# Altium PCB ir-24v-shit5-7.PcbDoc (part 3 of 6) (continued)
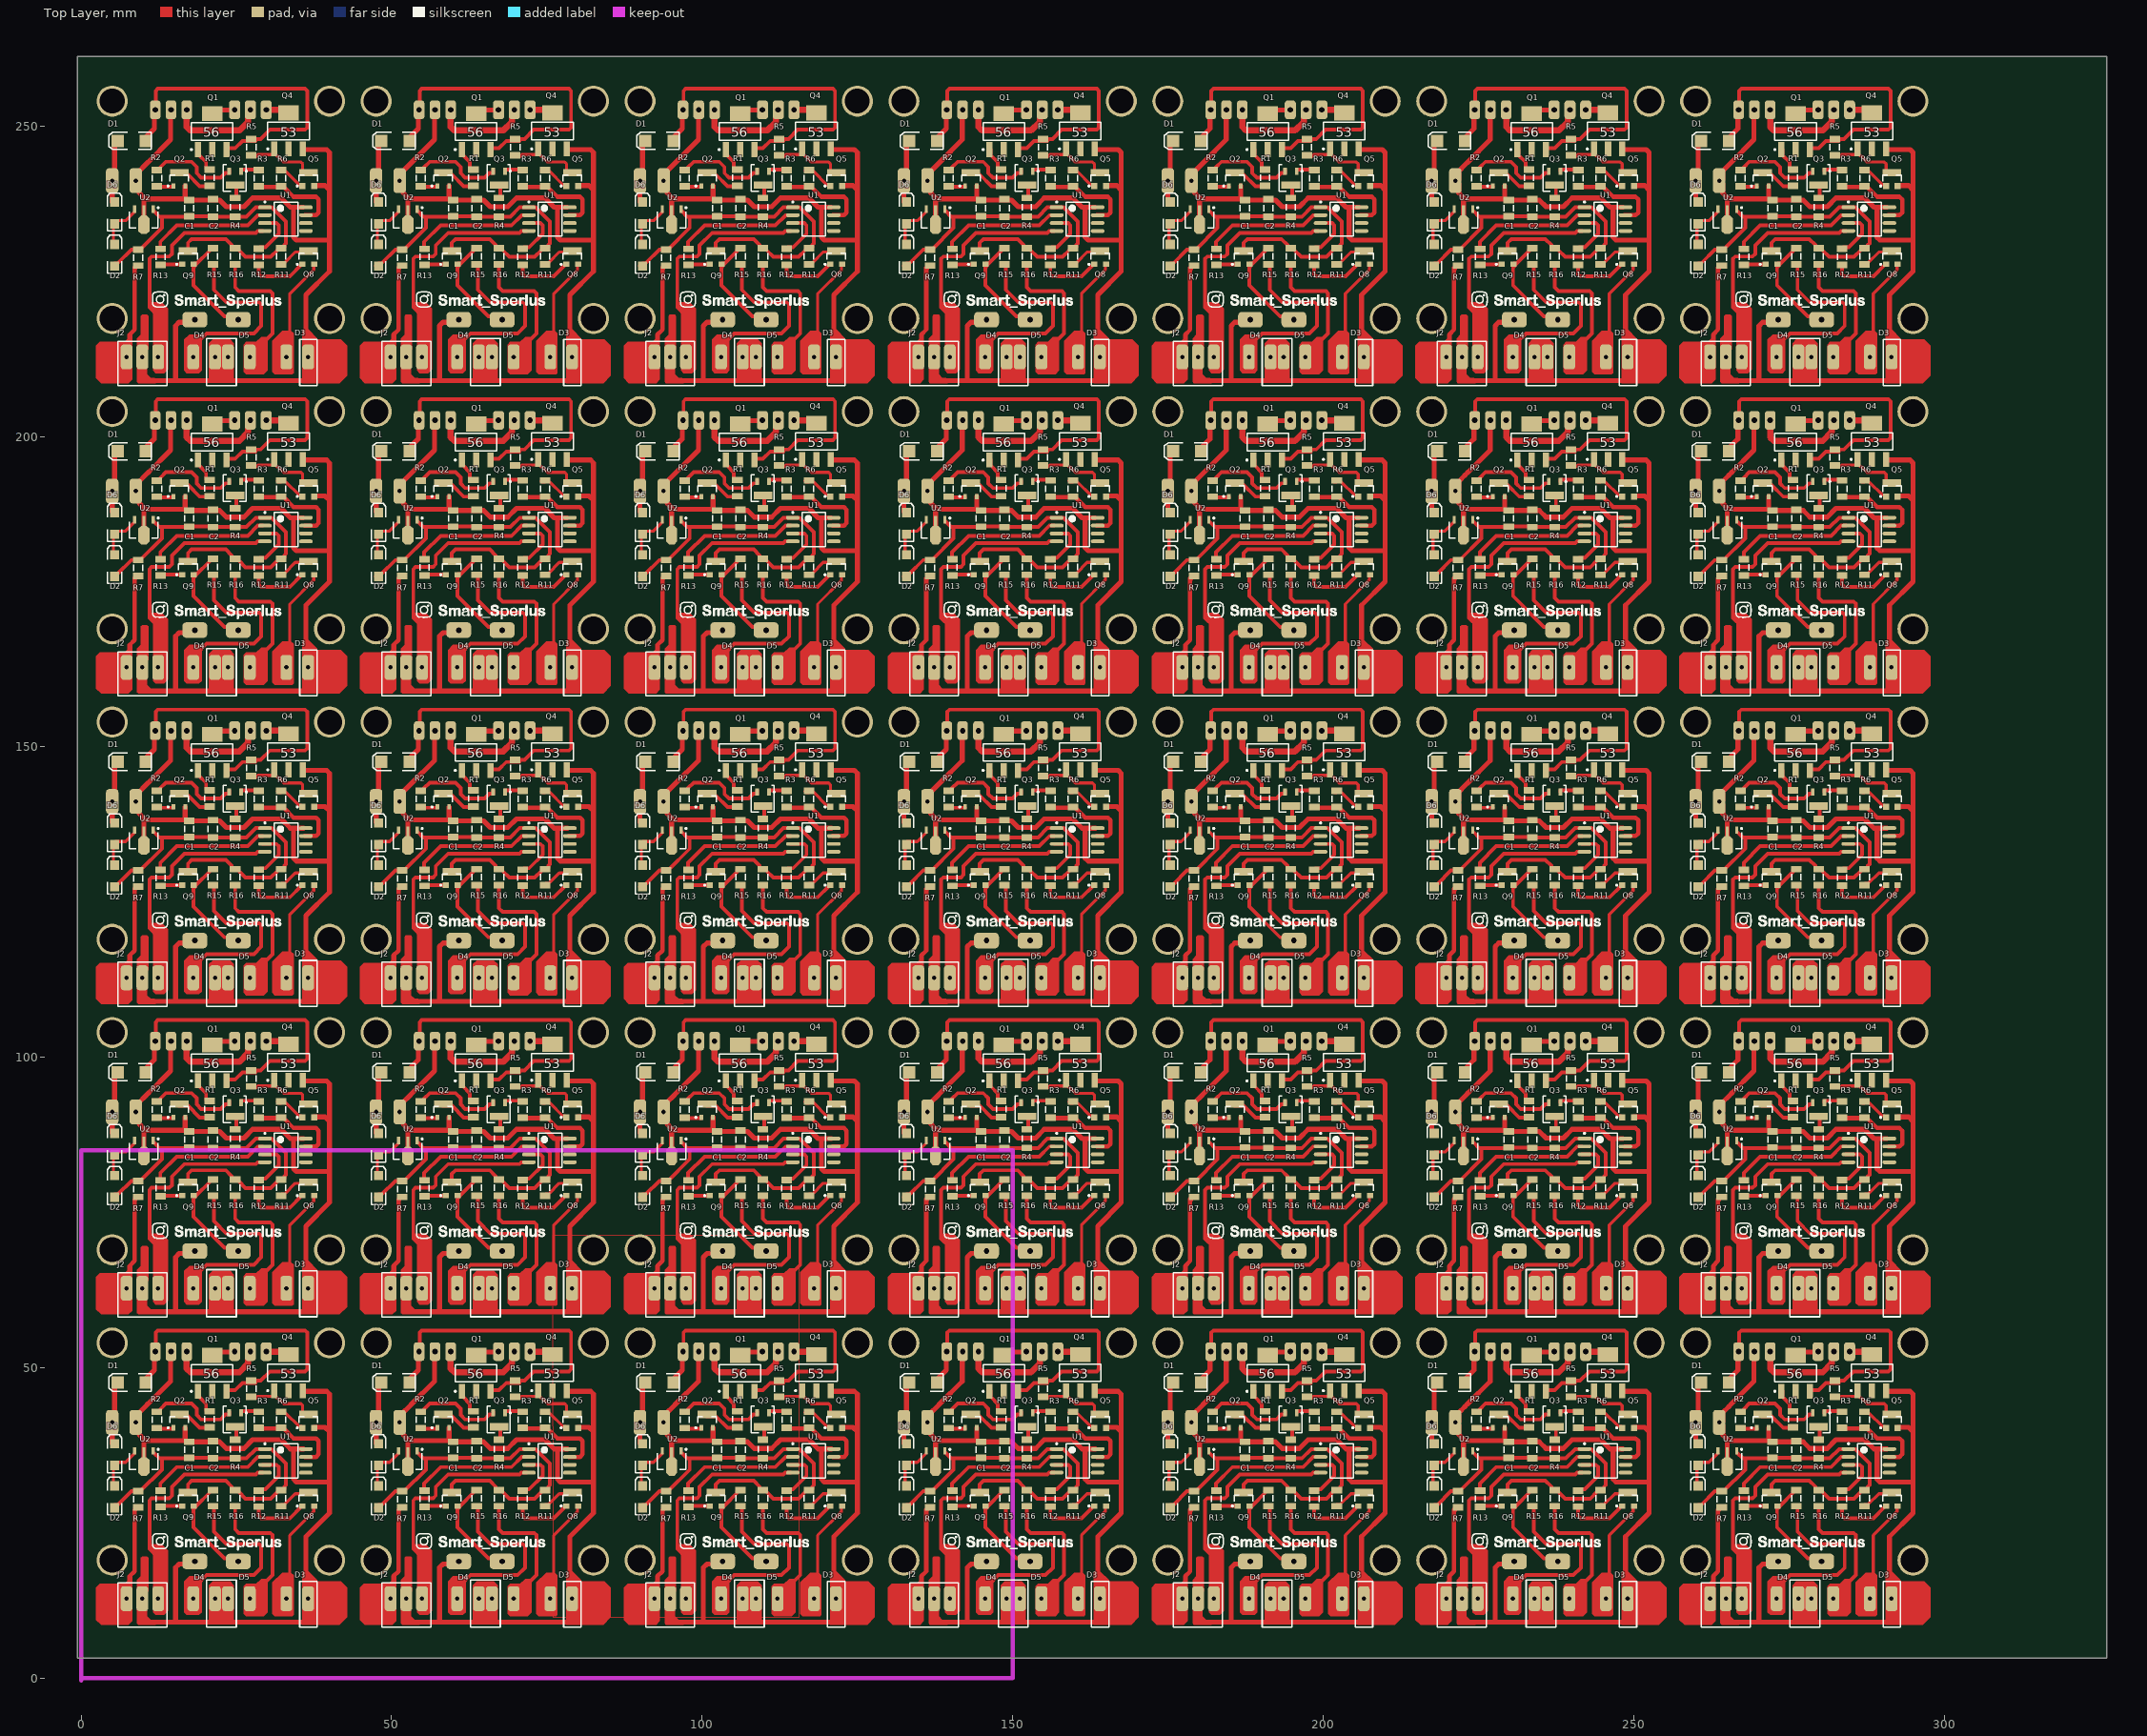
[diagram p0: Top Layer view]
## Nets (pads, with @x,y where several pads share a name; then routed paths per layer and width w, separated by ;. In a path a pad name is that pad's centre, name@x,y a point inside that pad or via, vN(x,y) a via of type N, cw(c..) or ccw(c..) an arc to the next point about the centre after c; other vN are vias at no path point) (continued)
90.45,27.9 90.9,27.9 93.101,30.101 94.2,30.101 94.501,30.101 98,33.6 98,35.4 ; 90,77.45 90.45,77.9 90.9,77.9 93.101,80.101 94.2,80.101 94.501,80.101 98,83.6 98,85.4 ; 90,127.45 90.45,127.9 90.9,127.9 93.101,130.101 94.2,130.101 94.501,130.101 98,133.6 98,135.4 ; 90,177.45 90.45,177.9 90.9,177.9 93.101,180.101 94.2,180.101 94.501,180.101 98,183.6 98,185.4 ; 90,227.45 90.45,227.9 90.9,227.9 93.101,230.101 94.2,230.101 94.501,230.101 98,233.6 98,235.4 ; 96.717,36.283 97.6,35.4 98,35.4 ; 96.717,86.283 97.6,85.4 98,85.4 ; 96.717,136.283 97.6,135.4 98,135.4 ; 96.717,186.283 97.6,185.4 98,185.4 ; 96.717,236.283 97.6,235.4 98,235.4 ; 97,40.299 97.099,40.2 99.85,40.2 ; 97,52.585 97,55.649 97.351,56 121.049,56 121.4,55.649 121.4,49.751 121.049,49.4 115.4,49.4 113.901,47.901 112.4,47.901 ; 97,90.299 97.099,90.2 99.85,90.2 ; 97,102.585 97,105.649 97.351,106 121.049,106 121.4,105.649 121.4,99.751 121.049,99.4 115.4,99.4 113.901,97.901 112.4,97.901 ; 97,140.299 97.099,140.2 99.85,140.2 ; 97,152.585 97,155.649 97.351,156 121.049,156 121.4,155.649 121.4,149.751 121.049,149.4 115.4,149.4 113.901,147.901 112.4,147.901 ; 97,190.299 97.099,190.2 99.85,190.2 ; 97,202.585 97,205.649 97.351,206 121.049,206 121.4,205.649 121.4,199.751 121.049,199.4 115.4,199.4 113.901,197.901 112.4,197.901 ; 97,240.299 97.099,240.2 99.85,240.2 ; 97,252.585 97,255.649 97.351,256 121.049,256 121.4,255.649 121.4,249.751 121.049,249.4 115.4,249.4 113.901,247.901 112.4,247.901 ; 97.349,13.96 97.349,19.451 96,20.8 96,28.624 96.351,28.975 99.175,28.975 99.6,29.4 99.6,30.8 101.6,32.8 113.105,32.8 113.4,33.095 114.2,33.095 ; 97.349,63.96 97.349,69.451 96,70.8 96,78.624 96.351,78.975 99.175,78.975 99.6,79.4 99.6,80.8 101.6,82.8 113.105,82.8 113.4,83.095 114.2,83.095 ; 97.349,113.96 97.349,119.451 96,120.8 96,128.624 96.351,128.975 99.175,128.975 99.6,129.4 99.6,130.8 101.6,132.8 113.105,132.8 113.4,133.095 114.2,133.095 ; 97.349,163.96 97.349,169.451 96,170.8 96,178.624 96.351,178.975 99.175,178.975 99.6,179.4 99.6,180.8 101.6,182.8 113.105,182.8 113.4,183.095 114.2,183.095 ; 97.349,213.96 97.349,219.451 96,220.8 96,228.624 96.351,228.975 99.175,228.975 99.6,229.4 99.6,230.8 101.6,232.8 113.105,232.8 113.4,233.095 114.2,233.095 ; 97.58,30.15 97.75,30.32 97.75,31.35 100.4,34 111.8,34 113.435,35.635 114.2,35.635 ; 97.58,80.15 97.75,80.32 97.75,81.35 100.4,84 111.8,84 113.435,85.635 114.2,85.635 ; 97.58,130.15 97.75,130.32 97.75,131.35 100.4,134 111.8,134 113.435,135.635 114.2,135.635 ; 97.58,180.15 97.75,180.32 97.75,181.35 100.4,184 111.8,184 113.435,185.635 114.2,185.635 ; 97.58,230.15 97.75,230.32 97.75,231.35 100.4,234 111.8,234 113.435,235.635 114.2,235.635 ; 97.6,42.97 97.75,43.12 97.75,43.35 98.638,44.238 102.762,44.238 103.6,43.4 103.6,42.4 104.324,41.676 107.476,41.676 108.25,42.45 108.85,42.45 108.85,42.888 ; 97.6,92.97 97.75,93.12 97.75,93.35 98.638,94.238 102.762,94.238 103.6,93.4 103.6,92.4 104.324,91.676 107.476,91.676 108.25,92.45 108.85,92.45 108.85,92.888 ; 97.6,142.97 97.75,143.12 97.75,143.35 98.638,144.238 102.762,144.238 103.6,143.4 103.6,142.4 104.324,141.676 107.476,141.676 108.25,142.45 108.85,142.45 108.85,142.888 ; 97.6,192.97 97.75,193.12 97.75,193.35 98.638,194.238 102.762,194.238 103.6,193.4 103.6,192.4 104.324,191.676 107.476,191.676 108.25,192.45 108.85,192.45 108.85,192.888 ; 97.6,242.97 97.75,243.12 97.75,243.35 98.638,244.238 102.762,244.238 103.6,243.4 103.6,242.4 104.324,241.676 107.476,241.676 108.25,242.45 108.85,242.45 108.85,242.888 ; 97.635,27.725 101.25,27.725 ; 97.635,77.725 101.25,77.725 ; 97.635,127.725 101.25,127.725 ; 97.635,177.725 101.25,177.725 ; 97.635,227.725 101.25,227.725 ; 100.4,42.475 100.7,42.175 102.225,42.175 104.095,40.305 104.8,40.305 ; 100.4,92.475 100.7,92.175 102.225,92.175 104.095,90.305 104.8,90.305 ; 100.4,142.475 100.7,142.175 102.225,142.175 104.095,140.305 104.8,140.305 ; 100.4,192.475 100.7,192.175 102.225,192.175 104.095,190.305 104.8,190.305 ; 100.4,242.475 100.7,242.175 102.225,242.175 104.095,240.305 104.8,240.305 ; 102.2,29.875 102.2,31.2 102.8,31.8 108.301,31.8 109.25,30.851 109.25,30.526 109.475,30.301 109.8,30.301 110.125,30.301 110.35,30.076 110.35,30.05 111.476,28.924 115.524,28.924 116.65,30.05 116.65,30.076 116.875,30.301 117.2,30.301 117.525,30.301 117.75,30.526 117.75,30.851 118,31.101 118,34.6 115.695,36.905 114.6,36.905 113.105,36.905 111.6,35.4 109.8,35.4 106.2,35.4 106.126,35.474 102.4,35.474 ; 102.2,79.875 102.2,81.2 102.8,81.8 108.301,81.8 109.25,80.851 109.25,80.526 109.475,80.301 109.8,80.301 110.125,80.301 110.35,80.076 110.35,80.05 111.476,78.924 115.524,78.924 116.65,80.05 116.65,80.076 116.875,80.301 117.2,80.301 117.525,80.301 117.75,80.526 117.75,80.851 118,81.101 118,84.6 115.695,86.905 114.6,86.905 113.105,86.905 111.6,85.4 109.8,85.4 106.2,85.4 106.126,85.474 102.4,85.474 ; 102.2,129.875 102.2,131.2 102.8,131.8 108.301,131.8 109.25,130.851 109.25,130.526 109.475,130.301 109.8,130.301 110.125,130.301 110.35,130.076 110.35,130.05 111.476,128.924 115.524,128.924 116.65,130.05 116.65,130.076 116.875,130.301 117.2,130.301 117.525,130.301 117.75,130.526 117.75,130.851 118,131.101 118,134.6 115.695,136.905 114.6,136.905 113.105,136.905 111.6,135.4 109.8,135.4 106.2,135.4 106.126,135.474 102.4,135.474 ; 102.2,179.875 102.2,181.2 102.8,181.8 108.301,181.8 109.25,180.851 109.25,180.526 109.475,180.301 109.8,180.301 110.125,180.301 110.35,180.076 110.35,180.05 111.476,178.924 115.524,178.924 116.65,180.05 116.65,180.076 116.875,180.301 117.2,180.301 117.525,180.301 117.75,180.526 117.75,180.851 118,181.101 118,184.6 115.695,186.905 114.6,186.905 113.105,186.905 111.6,185.4 109.8,185.4 106.2,185.4 106.126,185.474 102.4,185.474 ; 102.2,229.875 102.2,231.2 102.8,231.8 108.301,231.8 109.25,230.851 109.25,230.526 109.475,230.301 109.8,230.301 110.125,230.301 110.35,230.076 110.35,230.05 111.476,228.924 115.524,228.924 116.65,230.05 116.65,230.076 116.875,230.301 117.2,230.301 117.525,230.301 117.75,230.526 117.75,230.851 118,231.101 118,234.6 115.695,236.905 114.6,236.905 113.105,236.905 111.6,235.4 109.8,235.4 106.2,235.4 106.126,235.474 102.4,235.474 ; 102.4,35.4 98,35.4 ; 102.4,85.4 98,85.4 ; 102.4,135.4 98,135.4 ; 102.4,185.4 98,185.4 ; 102.4,235.4 98,235.4 ; 103.05,12.6 103.627,13.177 103.627,15.027 105.2,16.6 112.8,16.6 114,17.8 114,21.249 113.649,21.6 108.4,21.6 106.4,23.6 106.4,27.808 ; 103.05,62.6 103.627,63.177 103.627,65.027 105.2,66.6 112.8,66.6 114,67.8 114,71.249 113.649,71.6 108.4,71.6 106.4,73.6 106.4,77.808 ; 103.05,112.6 103.627,113.177 103.627,115.027 105.2,116.6 112.8,116.6 114,117.8 114,121.249 113.649,121.6 108.4,121.6 106.4,123.6 106.4,127.808 ; 103.05,162.6 103.627,163.177 103.627,165.027 105.2,166.6 112.8,166.6 114,167.8 114,171.249 113.649,171.6 108.4,171.6 106.4,173.6 106.4,177.808 ; 103.05,212.6 103.627,213.177 103.627,215.027 105.2,216.6 112.8,216.6 114,217.8 114,221.249 113.649,221.6 108.4,221.6 106.4,223.6 106.4,227.808 ; 103.15,27.725 103.275,27.85 103.65,27.85 105.65,29.85 105.65,30.076 105.875,30.301 106.2,30.301 ; 103.15,77.725 103.275,77.85 103.65,77.85 105.65,79.85 105.65,80.076 105.875,80.301 106.2,80.301 ; 103.15,127.725 103.275,127.85 103.65,127.85 105.65,129.85 105.65,130.076 105.875,130.301 106.2,130.301 ; 103.15,177.725 103.275,177.85 103.65,177.85 105.65,179.85 105.65,180.076 105.875,180.301 106.2,180.301 ; 103.15,227.725 103.275,227.85 103.65,227.85 105.65,229.85 105.65,230.076 105.875,230.301 106.2,230.301 ; 103.425,27.525 103.098,27.199 103.098,24.302 108.072,19.328 109.372,19.328 110.3,18.4 ; 103.425,77.525 103.098,77.199 103.098,74.302 108.072,69.328 109.372,69.328 110.3,68.4 ; 103.425,127.525 103.098,127.199 103.098,124.302 108.072,119.328 109.372,119.328 110.3,118.4 ; 103.425,177.525 103.098,177.199 103.098,174.302 108.072,169.328 109.372,169.328 110.3,168.4 ; 103.425,227.525 103.098,227.199 103.098,224.302 108.072,219.328 109.372,219.328 110.3,218.4 ; 104,46.237 104,45.3 105.118,44.182 105.118,43.107 105.4,42.825 ; 104,96.237 104,95.3 105.118,94.182 105.118,93.107 105.4,92.825 ; 104,146.237 104,145.3 105.118,144.182 105.118,143.107 105.4,142.825 ; 104,196.237 104,195.3 105.118,194.182 105.118,193.107 105.4,192.825 ; 104,246.237 104,245.3 105.118,244.182 105.118,243.107 105.4,242.825 ; 108.4,46.4 109.8,46.4 110.963,47.563 113.062,47.563 ; 108.4,96.4 109.8,96.4 110.963,97.563 113.062,97.563 ; 108.4,146.4 109.8,146.4 110.963,147.563 113.062,147.563 ; 108.4,196.4 109.8,196.4 110.963,197.563 113.062,197.563 ; 108.4,246.4 109.8,246.4 110.963,247.563 113.062,247.563 ; 109.8,27.705 109.8,24 110.4,23.4 115.449,23.4 115.8,23.049 115.8,16.6 113.447,14.247 112.164,14.247 111.717,13.8 ; 109.8,38.4 110,38.6 110,40.275 109.8,40.475 ; 109.8,77.705 109.8,74 110.4,73.4 115.449,73.4 115.8,73.049 115.8,66.6 113.447,64.247 112.164,64.247 111.717,63.8 ; 109.8,88.4 110,88.6 110,90.275 109.8,90.475 ; 109.8,127.705 109.8,124 110.4,123.4 115.449,123.4 115.8,123.049 115.8,116.6 113.447,114.247 112.164,114.247 111.717,113.8 ; 109.8,138.4 110,138.6 110,140.275 109.8,140.475 ; 109.8,177.705 109.8,174 110.4,173.4 115.449,173.4 115.8,173.049 115.8,166.6 113.447,164.247 112.164,164.247 111.717,163.8 ; 109.8,188.4 110,188.6 110,190.275 109.8,190.475 ; 109.8,227.705 109.8,224 110.4,223.4 115.449,223.4 115.8,223.049 115.8,216.6 113.447,214.247 112.164,214.247 111.717,213.8 ; 109.8,238.4 110,238.6 110,240.275 109.8,240.475 ; 110.75,42.725 110.75,43 113.374,43 ; 110.75,92.725 110.75,93 113.374,93 ; 110.75,142.725 110.75,143 113.374,143 ; 110.75,192.725 110.75,193 113.374,193 ; 110.75,242.725 110.75,243 113.374,243 ; 113.587,27.624 113.587,26.124 113.939,25.772 118.622,25.772 120.45,27.6 120.45,27.725 ; 113.587,30.22 113.812,30.445 114.645,30.445 116.8,32.6 116.8,34.014 116.449,34.365 114.2,34.365 ; 113.587,77.624 113.587,76.124 113.939,75.772 118.622,75.772 120.45,77.6 120.45,77.725 ; 113.587,80.22 113.812,80.445 114.645,80.445 116.8,82.6 116.8,84.014 116.449,84.365 114.2,84.365 ; 113.587,127.624 113.587,126.124 113.939,125.772 118.622,125.772 120.45,127.6 120.45,127.725 ; 113.587,130.22 113.812,130.445 114.645,130.445 116.8,132.6 116.8,134.014 116.449,134.365 114.2,134.365 ; 113.587,177.624 113.587,176.124 113.939,175.772 118.622,175.772 120.45,177.6 120.45,177.725 ; 113.587,180.22 113.812,180.445 114.645,180.445 116.8,182.6 116.8,184.014 116.449,184.365 114.2,184.365 ; 113.587,227.624 113.587,226.124 113.939,225.772 118.622,225.772 120.45,227.6 120.45,227.725 ; 113.587,230.22 113.812,230.445 114.645,230.445 116.8,232.6 116.8,234.014 116.449,234.365 114.2,234.365 ; 132.5,27.45 132.95,27.9 133.4,27.9 135.601,30.101 136.7,30.101 137.001,30.101 140.5,33.6 140.5,35.4 ; 132.5,77.45 132.95,77.9 133.4,77.9 135.601,80.101 136.7,80.101 137.001,80.101 140.5,83.6 140.5,85.4 ; 132.5,127.45 132.95,127.9 133.4,127.9 135.601,130.101 136.7,130.101 137.001,130.101 140.5,133.6 140.5,135.4 ; 132.5,177.45 132.95,177.9 133.4,177.9 135.601,180.101 136.7,180.101 137.001,180.101 140.5,183.6 140.5,185.4 ; 132.5,227.45 132.95,227.9 133.4,227.9 135.601,230.101 136.7,230.101 137.001,230.101 140.5,233.6 140.5,235.4 ; 139.217,36.283 140.1,35.4 140.5,35.4 ; 139.217,86.283 140.1,85.4 140.5,85.4 ; 139.217,136.283 140.1,135.4 140.5,135.4 ; 139.217,186.283 140.1,185.4 140.5,185.4 ; 139.217,236.283 140.1,235.4 140.5,235.4 ; 139.5,40.299 139.599,40.2 142.35,40.2 ; 139.5,52.585 139.5,55.649 139.851,56 163.549,56 163.9,55.649 163.9,49.751 163.549,49.4 157.9,49.4 156.401,47.901 154.9,47.901 ; 139.5,90.299 139.599,90.2 142.35,90.2 ; 139.5,102.585 139.5,105.649 139.851,106 163.549,106 163.9,105.649 163.9,99.751 163.549,99.4 157.9,99.4 156.401,97.901 154.9,97.901 ; 139.5,140.299 139.599,140.2 142.35,140.2 ; 139.5,152.585 139.5,155.649 139.851,156 163.549,156 163.9,155.649 163.9,149.751 163.549,149.4 157.9,149.4 156.401,147.901 154.9,147.901 ; 139.5,190.299 139.599,190.2 142.35,190.2 ; 139.5,202.585 139.5,205.649 139.851,206 163.549,206 163.9,205.649 163.9,199.751 163.549,199.4 157.9,199.4 156.401,197.901 154.9,197.901 ; 139.5,240.299 139.599,240.2 142.35,240.2 ; 139.5,252.585 139.5,255.649 139.851,256 163.549,256 163.9,255.649 163.9,249.751 163.549,249.4 157.9,249.4 156.401,247.901 154.9,247.901 ; 139.849,13.96 139.849,19.451 138.5,20.8 138.5,28.624 138.851,28.975 141.675,28.975 142.1,29.4 142.1,30.8 144.1,32.8 155.605,32.8 155.9,33.095 156.7,33.095 ; 139.849,63.96 139.849,69.451 138.5,70.8 138.5,78.624 138.851,78.975 141.675,78.975 142.1,79.4 142.1,80.8 144.1,82.8 155.605,82.8 155.9,83.095 156.7,83.095 ; 139.849,113.96 139.849,119.451 138.5,120.8 138.5,128.624 138.851,128.975 141.675,128.975 142.1,129.4 142.1,130.8 144.1,132.8 155.605,132.8 155.9,133.095 156.7,133.095 ; 139.849,163.96 139.849,169.451 138.5,170.8 138.5,178.624 138.851,178.975 141.675,178.975 142.1,179.4 142.1,180.8 144.1,182.8 155.605,182.8 155.9,183.095 156.7,183.095 ; 139.849,213.96 139.849,219.451 138.5,220.8 138.5,228.624 138.851,228.975 141.675,228.975 142.1,229.4 142.1,230.8 144.1,232.8 155.605,232.8 155.9,233.095 156.7,233.095 ; 140.08,30.15 140.25,30.32 140.25,31.35 142.9,34 154.3,34 155.935,35.635 156.7,35.635 ; 140.08,80.15 140.25,80.32 140.25,81.35 142.9,84 154.3,84 155.935,85.635 156.7,85.635 ; 140.08,130.15 140.25,130.32 140.25,131.35 142.9,134 154.3,134 155.935,135.635 156.7,135.635 ; 140.08,180.15 140.25,180.32 140.25,181.35 142.9,184 154.3,184 155.935,185.635 156.7,185.635 ; 140.08,230.15 140.25,230.32 140.25,231.35 142.9,234 154.3,234 155.935,235.635 156.7,235.635 ; 140.1,42.97 140.25,43.12 140.25,43.35 141.138,44.238 145.262,44.238 146.1,43.4 146.1,42.4 146.824,41.676 149.976,41.676 150.75,42.45 151.35,42.45 151.35,42.888 ; 140.1,92.97 140.25,93.12 140.25,93.35 141.138,94.238 145.262,94.238 146.1,93.4 146.1,92.4 146.824,91.676 149.976,91.676 150.75,92.45 151.35,92.45 151.35,92.888 ; 140.1,142.97 140.25,143.12 140.25,143.35 141.138,144.238 145.262,144.238 146.1,143.4 146.1,142.4 146.824,141.676 149.976,141.676 150.75,142.45 151.35,142.45 151.35,142.888 ; 140.1,192.97 140.25,193.12 140.25,193.35 141.138,194.238 145.262,194.238 146.1,193.4 146.1,192.4 146.824,191.676 149.976,191.676 150.75,192.45 151.35,192.45 151.35,192.888 ; 140.1,242.97 140.25,243.12 140.25,243.35 141.138,244.238 145.262,244.238 146.1,243.4 146.1,242.4 146.824,241.676 149.976,241.676 150.75,242.45 151.35,242.45 151.35,242.888 ; 140.135,27.725 143.75,27.725 ; 140.135,77.725 143.75,77.725 ; 140.135,127.725 143.75,127.725 ; 140.135,177.725 143.75,177.725 ; 140.135,227.725 143.75,227.725 ; 142.9,42.475 143.2,42.175 144.725,42.175 146.595,40.305 147.3,40.305 ; 142.9,92.475 143.2,92.175 144.725,92.175 146.595,90.305 147.3,90.305 ; 142.9,142.475 143.2,142.175 144.725,142.175 146.595,140.305 147.3,140.305 ; 142.9,192.475 143.2,192.175 144.725,192.175 146.595,190.305 147.3,190.305 ; 142.9,242.475 143.2,242.175 144.725,242.175 146.595,240.305 147.3,240.305 ; 144.7,29.875 144.7,31.2 145.3,31.8 150.801,31.8 151.75,30.851 151.75,30.526 151.975,30.301 152.3,30.301 152.625,30.301 152.85,30.076 152.85,30.05 153.976,28.924 158.024,28.924 159.15,30.05 159.15,30.076 159.375,30.301 159.7,30.301 160.025,30.301 160.25,30.526 160.25,30.851 160.5,31.101 160.5,34.6 158.195,36.905 157.1,36.905 155.605,36.905 154.1,35.4 152.3,35.4 148.7,35.4 148.626,35.474 144.9,35.474 ; 144.7,79.875 144.7,81.2 145.3,81.8 150.801,81.8 151.75,80.851 151.75,80.526 151.975,80.301 152.3,80.301 152.625,80.301 152.85,80.076 152.85,80.05 153.976,78.924 158.024,78.924 159.15,80.05 159.15,80.076 159.375,80.301 159.7,80.301 160.025,80.301 160.25,80.526 160.25,80.851 160.5,81.101 160.5,84.6 158.195,86.905 157.1,86.905 155.605,86.905 154.1,85.4 152.3,85.4 148.7,85.4 148.626,85.474 144.9,85.474 ; 144.7,129.875 144.7,131.2 145.3,131.8 150.801,131.8 151.75,130.851 151.75,130.526 151.975,130.301 152.3,130.301 152.625,130.301 152.85,130.076 152.85,130.05 153.976,128.924 158.024,128.924 159.15,130.05 159.15,130.076 159.375,130.301 159.7,130.301 160.025,130.301 160.25,130.526 160.25,130.851 160.5,131.101 160.5,134.6 158.195,136.905 157.1,136.905 155.605,136.905 154.1,135.4 152.3,135.4 148.7,135.4 148.626,135.474 144.9,135.474 ; 144.7,179.875 144.7,181.2 145.3,181.8 150.801,181.8 151.75,180.851 151.75,180.526 151.975,180.301 152.3,180.301 152.625,180.301 152.85,180.076 152.85,180.05 153.976,178.924 158.024,178.924 159.15,180.05 159.15,180.076 159.375,180.301 159.7,180.301 160.025,180.301 160.25,180.526 160.25,180.851 160.5,181.101 160.5,184.6 158.195,186.905 157.1,186.905 155.605,186.905 154.1,185.4 152.3,185.4 148.7,185.4 148.626,185.474 144.9,185.474 ; 144.7,229.875 144.7,231.2 145.3,231.8 150.801,231.8 151.75,230.851 151.75,230.526 151.975,230.301 152.3,230.301 152.625,230.301 152.85,230.076 152.85,230.05 153.976,228.924 158.024,228.924 159.15,230.05 159.15,230.076 159.375,230.301 159.7,230.301 160.025,230.301 160.25,230.526 160.25,230.851 160.5,231.101 160.5,234.6 158.195,236.905 157.1,236.905 155.605,236.905 154.1,235.4 152.3,235.4 148.7,235.4 148.626,235.474 144.9,235.474 ; 144.9,35.4 140.5,35.4 ; 144.9,85.4 140.5,85.4 ; 144.9,135.4 140.5,135.4 ; 144.9,185.4 140.5,185.4 ; 144.9,235.4 140.5,235.4 ; 145.55,12.6 146.127,13.177 146.127,15.027 147.7,16.6 155.3,16.6 156.5,17.8 156.5,21.249 156.149,21.6 150.9,21.6 148.9,23.6 148.9,27.808 ; 145.55,62.6 146.127,63.177 146.127,65.027 147.7,66.6 155.3,66.6 156.5,67.8 156.5,71.249 156.149,71.6 150.9,71.6 148.9,73.6 148.9,77.808 ; 145.55,112.6 146.127,113.177 146.127,115.027 147.7,116.6 155.3,116.6 156.5,117.8 156.5,121.249 156.149,121.6 150.9,121.6 148.9,123.6 148.9,127.808 ; 145.55,162.6 146.127,163.177 146.127,165.027 147.7,166.6 155.3,166.6 156.5,167.8 156.5,171.249 156.149,171.6 150.9,171.6 148.9,173.6 148.9,177.808 ; 145.55,212.6 146.127,213.177 146.127,215.027 147.7,216.6 155.3,216.6 156.5,217.8 156.5,221.249 156.149,221.6 150.9,221.6 148.9,223.6 148.9,227.808 ; 145.65,27.725 145.775,27.85 146.15,27.85 148.15,29.85 148.15,30.076 148.375,30.301 148.7,30.301 ; 145.65,77.725 145.775,77.85 146.15,77.85 148.15,79.85 148.15,80.076 148.375,80.301 148.7,80.301 ; 145.65,127.725 145.775,127.85 146.15,127.85 148.15,129.85 148.15,130.076 148.375,130.301 148.7,130.301 ; 145.65,177.725 145.775,177.85 146.15,177.85 148.15,179.85 148.15,180.076 148.375,180.301 148.7,180.301 ; 145.65,227.725 145.775,227.85 146.15,227.85 148.15,229.85 148.15,230.076 148.375,230.301 148.7,230.301 ; 145.925,27.525 145.598,27.199 145.598,24.302 150.572,19.328 151.872,19.328 152.8,18.4 ; 145.925,77.525 145.598,77.199 145.598,74.302 150.572,69.328 151.872,69.328 152.8,68.4 ; 145.925,127.525 145.598,127.199 145.598,124.302 150.572,119.328 151.872,119.328 152.8,118.4 ; 145.925,177.525 145.598,177.199 145.598,174.302 150.572,169.328 151.872,169.328 152.8,168.4 ; 145.925,227.525 145.598,227.199 145.598,224.302 150.572,219.328 151.872,219.328 152.8,218.4 ; 146.5,46.237 146.5,45.3 147.618,44.182 147.618,43.107 147.9,42.825 ; 146.5,96.237 146.5,95.3 147.618,94.182 147.618,93.107 147.9,92.825 ; 146.5,146.237 146.5,145.3 147.618,144.182 147.618,143.107 147.9,142.825 ; 146.5,196.237 146.5,195.3 147.618,194.182 147.618,193.107 147.9,192.825 ; 146.5,246.237 146.5,245.3 147.618,244.182 147.618,243.107 147.9,242.825 ; 150.9,46.4 152.3,46.4 153.463,47.563 155.563,47.563 ; 150.9,96.4 152.3,96.4 153.463,97.563 155.563,97.563 ; 150.9,146.4 152.3,146.4 153.463,147.563 155.563,147.563 ; 150.9,196.4 152.3,196.4 153.463,197.563 155.563,197.563 ; 150.9,246.4 152.3,246.4 153.463,247.563 155.563,247.563 ; 152.3,27.705 152.3,24 152.9,23.4 157.949,23.4 158.3,23.049 158.3,16.6 155.947,14.247 154.664,14.247 154.217,13.8 ; 152.3,38.4 152.5,38.6 152.5,40.275 152.3,40.475 ; 152.3,77.705 152.3,74 152.9,73.4 157.949,73.4 158.3,73.049 158.3,66.6 155.947,64.247 154.664,64.247 154.217,63.8 ; 152.3,88.4 152.5,88.6 152.5,90.275 152.3,90.475 ; 152.3,127.705 152.3,124 152.9,123.4 157.949,123.4 158.3,123.049 158.3,116.6 155.947,114.247 154.664,114.247 154.217,113.8 ; 152.3,138.4 152.5,138.6 152.5,140.275 152.3,140.475 ; 152.3,177.705 152.3,174 152.9,173.4 157.949,173.4 158.3,173.049 158.3,166.6 155.947,164.247 154.664,164.247 154.217,163.8 ; 152.3,188.4 152.5,188.6 152.5,190.275 152.3,190.475 ; 152.3,227.705 152.3,224 152.9,223.4 157.949,223.4 158.3,223.049 158.3,216.6 155.947,214.247 154.664,214.247 154.217,213.8 ; 152.3,238.4 152.5,238.6 152.5,240.275 152.3,240.475 ; 153.25,42.725 153.25,43 155.874,43 ; 153.25,92.725 153.25,93 155.874,93 ; 153.25,142.725 153.25,143 155.874,143 ; 153.25,192.725 153.25,193 155.874,193 ; 153.25,242.725 153.25,243 155.874,243 ; 156.087,27.624 156.087,26.124 156.439,25.772 161.122,25.772 162.95,27.6 162.95,27.725 ; 156.087,30.22 156.312,30.445 157.145,30.445 159.3,32.6 159.3,34.014 158.949,34.365 156.7,34.365 ; 156.087,77.624 156.087,76.124 156.439,75.772 161.122,75.772 162.95,77.6 162.95,77.725 ; 156.087,80.22 156.312,80.445 157.145,80.445 159.3,82.6 159.3,84.014 158.949,84.365 156.7,84.365 ; 156.087,127.624 156.087,126.124 156.439,125.772 161.122,125.772 162.95,127.6 162.95,127.725 ; 156.087,130.22 156.312,130.445 157.145,130.445 159.3,132.6 159.3,134.014 158.949,134.365 156.7,134.365 ; 156.087,177.624 156.087,176.124 156.439,175.772 161.122,175.772 162.95,177.6 162.95,177.725 ; 156.087,180.22 156.312,180.445 157.145,180.445 159.3,182.6 159.3,184.014 158.949,184.365 156.7,184.365 ; 156.087,227.624 156.087,226.124 156.439,225.772 161.122,225.772 162.95,227.6 162.95,227.725 ; 156.087,230.22 156.312,230.445 157.145,230.445 159.3,232.6 159.3,234.014 158.949,234.365 156.7,234.365 ; 175,27.45 175.45,27.9 175.9,27.9 178.101,30.101 179.2,30.101 179.501,30.101 183,33.6 183,35.4 ; 175,77.45 175.45,77.9 175.9,77.9 178.101,80.101 179.2,80.101 179.501,80.101 183,83.6 183,85.4 ; 175,127.45 175.45,127.9 175.9,127.9 178.101,130.101 179.2,130.101 179.501,130.101 183,133.6 183,135.4 ; 175,177.45 175.45,177.9 175.9,177.9 178.101,180.101 179.2,180.101 179.501,180.101 183,183.6 183,185.4 ; 175,227.45 175.45,227.9 175.9,227.9 178.101,230.101 179.2,230.101 179.501,230.101 183,233.6 183,235.4 ; 181.717,36.283 182.6,35.4 183,35.4 ; 181.717,86.283 182.6,85.4 183,85.4 ; 181.717,136.283 182.6,135.4 183,135.4 ; 181.717,186.283 182.6,185.4 183,185.4 ; 181.717,236.283 182.6,235.4 183,235.4 ; 182,40.299 182.099,40.2 184.85,40.2 ; 182,52.585 182,55.649 182.351,56 206.049,56 206.4,55.649 206.4,49.751 206.049,49.4 200.4,49.4 198.901,47.901 197.4,47.901 ; 182,90.299 182.099,90.2 184.85,90.2 ; 182,102.585 182,105.649 182.351,106 206.049,106 206.4,105.649 206.4,99.751 206.049,99.4 200.4,99.4 198.901,97.901 197.4,97.901 ; 182,140.299 182.099,140.2 184.85,140.2 ; 182,152.585 182,155.649 182.351,156 206.049,156 206.4,155.649 206.4,149.751 206.049,149.4 200.4,149.4 198.901,147.901 197.4,147.901 ; 182,190.299 182.099,190.2 184.85,190.2 ; 182,202.585 182,205.649 182.351,206 206.049,206 206.4,205.649 206.4,199.751 206.049,199.4 200.4,199.4 198.901,197.901 197.4,197.901 ; 182,240.299 182.099,240.2 184.85,240.2 ; 182,252.585 182,255.649 182.351,256 206.049,256 206.4,255.649 206.4,249.751 206.049,249.4 200.4,249.4 198.901,247.901 197.4,247.901 ; 182.349,13.96 182.349,19.451 181,20.8 181,28.624 181.351,28.975 184.175,28.975 184.6,29.4 184.6,30.8 186.6,32.8 198.105,32.8 198.4,33.095 199.2,33.095 ; 182.349,63.96 182.349,69.451 181,70.8 181,78.624 181.351,78.975 184.175,78.975 184.6,79.4 184.6,80.8 186.6,82.8 198.105,82.8 198.4,83.095 199.2,83.095 ; 182.349,113.96 182.349,119.451 181,120.8 181,128.624 181.351,128.975 184.175,128.975 184.6,129.4 184.6,130.8 186.6,132.8 198.105,132.8 198.4,133.095 199.2,133.095 ; 182.349,163.96 182.349,169.451 181,170.8 181,178.624 181.351,178.975 184.175,178.975 184.6,179.4 184.6,180.8 186.6,182.8 198.105,182.8 198.4,183.095 199.2,183.095 ; 182.349,213.96 182.349,219.451 181,220.8 181,228.624 181.351,228.975 184.175,228.975 184.6,229.4 184.6,230.8 186.6,232.8 198.105,232.8 198.4,233.095 199.2,233.095 ; 182.58,30.15 182.75,30.32 182.75,31.35 185.4,34 196.8,34 198.435,35.635 199.2,35.635 ; 182.58,80.15 182.75,80.32 182.75,81.35 185.4,84 196.8,84 198.435,85.635 199.2,85.635 ; 182.58,130.15 182.75,130.32 182.75,131.35 185.4,134 196.8,134 198.435,135.635 199.2,135.635 ; 182.58,180.15 182.75,180.32 182.75,181.35 185.4,184 196.8,184 198.435,185.635 199.2,185.635 ; 182.58,230.15 182.75,230.32 182.75,231.35 185.4,234 196.8,234 198.435,235.635 199.2,235.635 ; 182.6,42.97 182.75,43.12 182.75,43.35 183.638,44.238 187.762,44.238 188.6,43.4 188.6,42.4 189.324,41.676 192.476,41.676 193.25,42.45 193.85,42.45 193.85,42.888 ; 182.6,92.97 182.75,93.12 182.75,93.35 183.638,94.238 187.762,94.238 188.6,93.4 188.6,92.4 189.324,91.676 192.476,91.676 193.25,92.45 193.85,92.45 193.85,92.888 ; 182.6,142.97 182.75,143.12 182.75,143.35 183.638,144.238 187.762,144.238 188.6,143.4 188.6,142.4 189.324,141.676 192.476,141.676 193.25,142.45 193.85,142.45 193.85,142.888 ; 182.6,192.97 182.75,193.12 182.75,193.35 183.638,194.238 187.762,194.238 188.6,193.4 188.6,192.4 189.324,191.676 192.476,191.676 193.25,192.45 193.85,192.45 193.85,192.888 ; 182.6,242.97 182.75,243.12 182.75,243.35 183.638,244.238 187.762,244.238 188.6,243.4 188.6,242.4 189.324,241.676 192.476,241.676 193.25,242.45 193.85,242.45 193.85,242.888 ; 182.635,27.725 186.25,27.725 ; 182.635,77.725 186.25,77.725 ; 182.635,127.725 186.25,127.725 ; 182.635,177.725 186.25,177.725 ; 182.635,227.725 186.25,227.725 ; 185.4,42.475 185.7,42.175 187.225,42.175 189.095,40.305 189.8,40.305 ; 185.4,92.475 185.7,92.175 187.225,92.175 189.095,90.305 189.8,90.305 ; 185.4,142.475 185.7,142.175 187.225,142.175 189.095,140.305 189.8,140.305 ; 185.4,192.475 185.7,192.175 187.225,192.175 189.095,190.305 189.8,190.305 ; 185.4,242.475 185.7,242.175 187.225,242.175 189.095,240.305 189.8,240.305 ; 187.2,29.875 187.2,31.2 187.8,31.8 193.301,31.8 194.25,30.851 194.25,30.526 194.475,30.301 194.8,30.301 195.125,30.301 195.35,30.076 195.35,30.05 196.476,28.924 200.524,28.924 201.65,30.05 201.65,30.076 201.875,30.301 202.2,30.301 202.525,30.301 202.75,30.526 202.75,30.851 203,31.101 203,34.6 200.695,36.905 199.6,36.905 198.105,36.905 196.6,35.4 194.8,35.4 191.2,35.4 191.126,35.474 187.4,35.474 ; 187.2,79.875 187.2,81.2 187.8,81.8 193.301,81.8 194.25,80.851 194.25,80.526 194.475,80.301 194.8,80.301 195.125,80.301 195.35,80.076 195.35,80.05 196.476,78.924 200.524,78.924 201.65,80.05 201.65,80.076 201.875,80.301 202.2,80.301 202.525,80.301 202.75,80.526 202.75,80.851 203,81.101 203,84.6 200.695,86.905 199.6,86.905 198.105,86.905 196.6,85.4 194.8,85.4 191.2,85.4 191.126,85.474 187.4,85.474 ; 187.2,129.875 187.2,131.2 187.8,131.8 193.301,131.8 194.25,130.851 194.25,130.526 194.475,130.301 194.8,130.301 195.125,130.301 195.35,130.076 195.35,130.05 196.476,128.924 200.524,128.924 201.65,130.05 201.65,130.076 201.875,130.301 202.2,130.301 202.525,130.301 202.75,130.526 202.75,130.851 203,131.101 203,134.6 200.695,136.905 199.6,136.905 198.105,136.905 196.6,135.4 194.8,135.4 191.2,135.4 191.126,135.474 187.4,135.474 ; 187.2,179.875 187.2,181.2 187.8,181.8 193.301,181.8 194.25,180.851 194.25,180.526 194.475,180.301 194.8,180.301 195.125,180.301 195.35,180.076 195.35,180.05 196.476,178.924 200.524,178.924 201.65,180.05 201.65,180.076 201.875,180.301 202.2,180.301 202.525,180.301 202.75,180.526 202.75,180.851 203,181.101 203,184.6 200.695,186.905 199.6,186.905 198.105,186.905 196.6,185.4 194.8,185.4 191.2,185.4 191.126,185.474 187.4,185.474 ; 187.2,229.875 187.2,231.2 187.8,231.8 193.301,231.8 194.25,230.851 194.25,230.526 194.475,230.301 194.8,230.301 195.125,230.301 195.35,230.076 195.35,230.05 196.476,228.924 200.524,228.924 201.65,230.05 201.65,230.076 201.875,230.301 202.2,230.301 202.525,230.301 202.75,230.526 202.75,230.851 203,231.101 203,234.6 200.695,236.905 199.6,236.905 198.105,236.905 196.6,235.4 194.8,235.4 191.2,235.4 191.126,235.474 187.4,235.474 ; 187.4,35.4 183,35.4 ; 187.4,85.4 183,85.4 ; 187.4,135.4 183,135.4 ; 187.4,185.4 183,185.4 ; 187.4,235.4 183,235.4 ; 188.05,12.6 188.627,13.177 188.627,15.027 190.2,16.6 197.8,16.6 199,17.8 199,21.249 198.649,21.6 193.4,21.6 191.4,23.6 191.4,27.808